# Altium PCB LeVentilateur.PcbDoc (part 1 of 2) (continued)
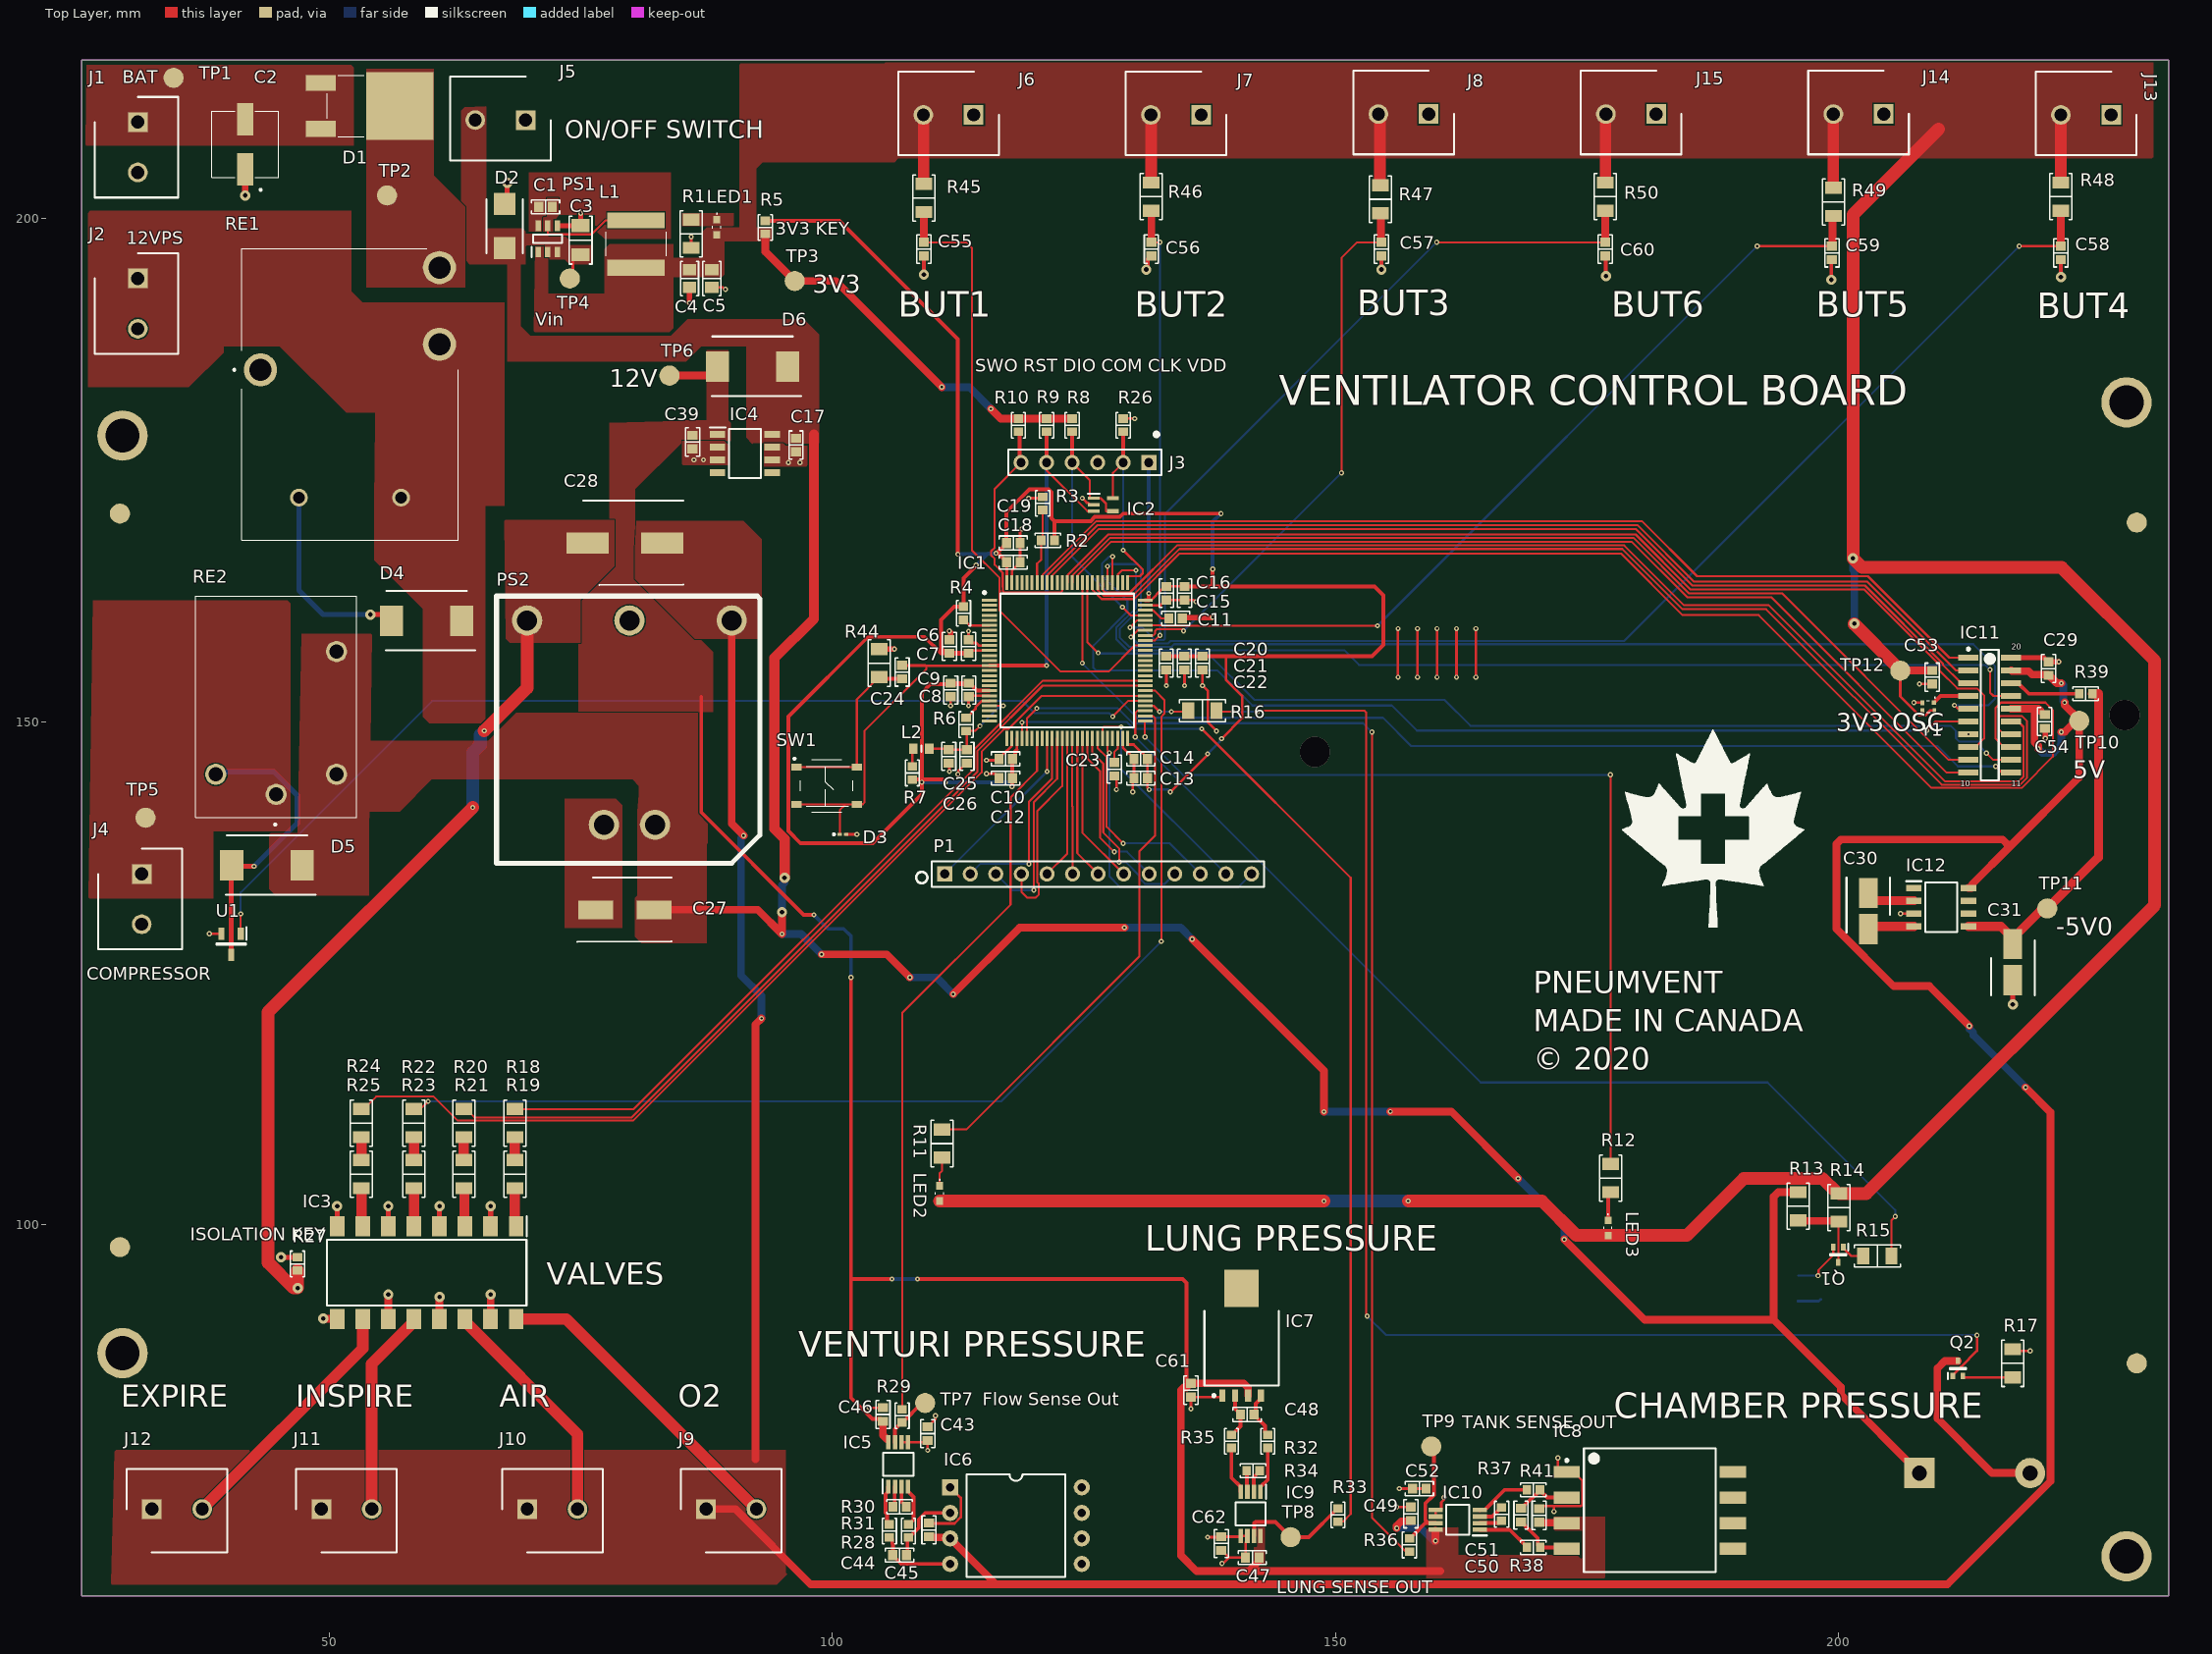
[diagram p0: Top Layer view]
## Part data (continued)
C22: library part C1608X7R1E104K080AA, "CAP CER 4.7UF 10V X5R 0603", Case/Package=0603, Case Code (Metric)=1608, Dielectric=X5R, Dielectric Material=Ceramic, Manufacturer 1="Taiyo Yuden", Manufacturer Part Number 1=LMK107BJ475KA-T, Max Operating Temperature=85°C, Min Operating Temperature=-55°C, Package Quantity=1, Supplier Part Number 1=587-1441-1-ND, Tolerance=10%, Voltage Rating=10V, Capacitance=4.7uF, Case Code (Imperial)=0603, ComponentLink1Description=Datasheet, ComponentLink1URL=https://product.tdk.com/info/en/catalog/datasheets/mlcc_commercial_general_en.pdf, ComponentLink2Description="Digi-Key listing", ComponentLink2URL=http://digikey.com/product-detail/en/C1608X7R1E104K080AA/445-1316-1-ND/567697, ComponentLink3Description=https://www.verical.com/server-webapp/html/getDatasheet?partID=626892&src-supplier=Verical, ComponentLink3URL=https://www.verical.com/server-webapp/html/getDatasheet?partID=626892&src-supplier=Verical, ComponentLink4Description=http://www.farnell.com/datasheets/2746056.pdf?src-supplier=Farnell, ComponentLink4URL=http://www.farnell.com/datasheets/2746056.pdf?src-supplier=Farnell, ComponentLink5Description=http://components.arrow.com/part/dataview/0323_00313986?src-supplier=Arrow+Europe, ComponentLink5URL=http://components.arrow.com/part/dataview/0323_00313986?src-supplier=Arrow+Europe, ComponentLink6Description=http://www.mouser.com/ds/2/212/KEM_C1002_X7R_SMD-1102033.pdf?src-supplier=Mouser, ComponentLink6URL=http://www.mouser.com/ds/2/212/KEM_C1002_X7R_SMD-1102033.pdf?src-supplier=Mouser, ComponentLink7Description=http://www.alliedelec.com/m/d/6f3b5eb83d09db50ed28bdc730567b33.pdf?src-supplier=Allied+Electronics, ComponentLink7URL=http://www.alliedelec.com/m/d/6f3b5eb83d09db50ed28bdc730567b33.pdf?src-supplier=Allied+Electronics, ComponentLink8Description=http://components.arrow.com/part/dataview/40911037S8853915N7429?src-supplier=Arrow, ComponentLink8URL=http://components.arrow.com/part/dataview/40911037S8853915N7429?src-supplier=Arrow, ComponentLink9Description=http://www.farnell.com/datasheets/2746056.pdf?src-supplier=Newark, ComponentLink9URL=http://www.farnell.com/datasheets/2746056.pdf?src-supplier=Newark, ComponentLink10Description=http://www.farnell.com/datasheets/1828800.pdf?src-supplier=Newark, ComponentLink10URL=http://www.farnell.com/datasheets/1828800.pdf?src-supplier=Newark, ComponentLink11Description=http://capacitoredge.kemet.com/capedge2/DataSheet?pn=C0603C104M5RAC7867&src-supplier=Avnet+Asia, ComponentLink11URL=http://capacitoredge.kemet.com/capedge2/DataSheet?pn=C0603C104M5RAC7867&src-supplier=Avnet+Asia, ComponentLink12Description=https://api.kemet.com/component-edge/download/datasheet/C0603C104M5RACTU.pdf?src-supplier=Digi-Key, ComponentLink12URL=https://api.kemet.com/component-edge/download/datasheet/C0603C104M5RACTU.pdf?src-supplier=Digi-Key, ComponentLink13Description=https://www.verical.com/server-webapp/html/getDatasheet?partID=110138&src-supplier=Verical, ComponentLink13URL=https://www.verical.com/server-webapp/html/getDatasheet?partID=110138&src-supplier=Verical, ComponentLink14Description=http://capacitoredge.kemet.com/capedge2/DataSheet?pn=C0603C104M5RAC7867&src-supplier=Avnet, ComponentLink14URL=http://capacitoredge.kemet.com/capedge2/DataSheet?pn=C0603C104M5RAC7867&src-supplier=Avnet, ComponentLink15Description=http://www.farnell.com/datasheets/2315113.pdf?src-supplier=Newark, ComponentLink15URL=http://www.farnell.com/datasheets/2315113.pdf?src-supplier=Newark, ComponentLink16Description=http://www.farnell.com/datasheets/2746056.pdf?src-supplier=Element14, ComponentLink16URL=http://www.farnell.com/datasheets/2746056.pdf?src-supplier=Element14, ComponentLink17Description=https://datasheet.ciiva.com/30054/131lmk107bj475ka-t-30054339.pdf?src-supplier=Onlinecomponents.com, ComponentLink17URL=https://datasheet.ciiva.com/30054/131lmk107bj475ka-t-30054339.pdf?src-supplier=Onlinecomponents.com, ComponentLink18Description=https://datasheet.ciiva.com/11463/lmk107bj475ka-t-ss-11463768.pdf?src-supplier=Avnet, ComponentLink18URL=https://datasheet.ciiva.com/11463/lmk107bj475ka-t-ss-11463768.pdf?src-supplier=Avnet, ComponentLink19Description=https://datasheet.ciiva.com/135/lmk107bj475ka-t-ss-135643.pdf?src-supplier=Digi-Key, ComponentLink19URL=https://datasheet.ciiva.com/135/lmk107bj475ka-t-ss-135643.pdf?src-supplier=Digi-Key, ComponentLink20Description=https://datasheet.ciiva.com/26872/getdatasheetpartid-638615-26872655.pdf?src-supplier=Verical, ComponentLink20URL=https://datasheet.ciiva.com/26872/getdatasheetpartid-638615-26872655.pdf?src-supplier=Verical, ComponentLink21Description=https://datasheet.ciiva.com/15921/344lmk107bj475ka-t-15921264.pdf?src-supplier=Onlinecomponents.com, ComponentLink21URL=https://datasheet.ciiva.com/15921/344lmk107bj475ka-t-15921264.pdf?src-supplier=Onlinecomponents.com, ComponentLink22Description=https://datasheet.ciiva.com/5424/mlcc01-e-5424565.pdf?src-supplier=Mouser, ComponentLink22URL=https://datasheet.ciiva.com/5424/mlcc01-e-5424565.pdf?src-supplier=Mouser, ComponentLink23Description=https://datasheet.ciiva.com/7975/746258-7975564.pdf?src-supplier=Element14, ComponentLink23URL=https://datasheet.ciiva.com/7975/746258-7975564.pdf?src-supplier=Element14, Contact Plating=Nickel, Depth=0.8mm, Description 1="Cap Ceramic 4.7uF 10V X5R 10% SMD 0603 85C T/R", Halogen Free="Halogen Free", Height=0.8mm, Lead Free="Lead Free", Length=1.6mm, Mount="Surface Mount", Number of Pins=2, Packaging="Tape and Reel", Pricing 1="1 = 0.19000, 10 = 0.12700, 100 = 0.06440, 500 = 0.04408, 1000 = 0.03899 (USD)", Radiation Hardening=No, REACH SVHC=Unknown, RoHS 1=Yes, Stock 1=2625329, Supplier 1=Digi-Key, Termination=SMD/SMT, Thickness=0.035inch, Voltage Rating (DC)=10V, Width=0.031inch
C26: library part C1608X7R1E104K080AA, "CAP CER 1UF 16V X7R 0603", Capacitance=100nF, Case/Package=0603, Case Code (Metric)=1608, Dielectric=X7R, Dielectric Material=Ceramic, Manufacturer 1=KEMET, Manufacturer 2=Samsung, Manufacturer Part Number 1=C0603C104M5RACTU, Manufacturer Part Number 2=CL10B105MO8NNWC, Max Operating Temperature=125°C, Min Operating Temperature=-55°C, Package Quantity=1, Supplier Part Number 1=399-7845-1-ND, Tolerance=20%, Voltage Rating=16, Voltage Rating (DC)=16V, Case Code (Imperial)=0603, ComponentLink1Description=Datasheet, ComponentLink1URL=https://product.tdk.com/info/en/catalog/datasheets/mlcc_commercial_general_en.pdf, ComponentLink2Description="Digi-Key listing", ComponentLink2URL=http://digikey.com/product-detail/en/C1608X7R1E104K080AA/445-1316-1-ND/567697, ComponentLink3Description=https://www.verical.com/server-webapp/html/getDatasheet?partID=626892&src-supplier=Verical, ComponentLink3URL=https://www.verical.com/server-webapp/html/getDatasheet?partID=626892&src-supplier=Verical, ComponentLink4Description=http://www.farnell.com/datasheets/2746056.pdf?src-supplier=Farnell, ComponentLink4URL=http://www.farnell.com/datasheets/2746056.pdf?src-supplier=Farnell, ComponentLink5Description=http://components.arrow.com/part/dataview/0323_00313986?src-supplier=Arrow+Europe, ComponentLink5URL=http://components.arrow.com/part/dataview/0323_00313986?src-supplier=Arrow+Europe, ComponentLink6Description=http://www.mouser.com/ds/2/212/KEM_C1002_X7R_SMD-1102033.pdf?src-supplier=Mouser, ComponentLink6URL=http://www.mouser.com/ds/2/212/KEM_C1002_X7R_SMD-1102033.pdf?src-supplier=Mouser, ComponentLink7Description=http://www.alliedelec.com/m/d/6f3b5eb83d09db50ed28bdc730567b33.pdf?src-supplier=Allied+Electronics, ComponentLink7URL=http://www.alliedelec.com/m/d/6f3b5eb83d09db50ed28bdc730567b33.pdf?src-supplier=Allied+Electronics, ComponentLink8Description=http://components.arrow.com/part/dataview/40911037S8853915N7429?src-supplier=Arrow, ComponentLink8URL=http://components.arrow.com/part/dataview/40911037S8853915N7429?src-supplier=Arrow, ComponentLink9Description=http://www.farnell.com/datasheets/2746056.pdf?src-supplier=Newark, ComponentLink9URL=http://www.farnell.com/datasheets/2746056.pdf?src-supplier=Newark, ComponentLink10Description=http://www.farnell.com/datasheets/1828800.pdf?src-supplier=Newark, ComponentLink10URL=http://www.farnell.com/datasheets/1828800.pdf?src-supplier=Newark, ComponentLink11Description=http://capacitoredge.kemet.com/capedge2/DataSheet?pn=C0603C104M5RAC7867&src-supplier=Avnet+Asia, ComponentLink11URL=http://capacitoredge.kemet.com/capedge2/DataSheet?pn=C0603C104M5RAC7867&src-supplier=Avnet+Asia, ComponentLink12Description=https://api.kemet.com/component-edge/download/datasheet/C0603C104M5RACTU.pdf?src-supplier=Digi-Key, ComponentLink12URL=https://api.kemet.com/component-edge/download/datasheet/C0603C104M5RACTU.pdf?src-supplier=Digi-Key, ComponentLink13Description=https://www.verical.com/server-webapp/html/getDatasheet?partID=110138&src-supplier=Verical, ComponentLink13URL=https://www.verical.com/server-webapp/html/getDatasheet?partID=110138&src-supplier=Verical, ComponentLink14Description=http://capacitoredge.kemet.com/capedge2/DataSheet?pn=C0603C104M5RAC7867&src-supplier=Avnet, ComponentLink14URL=http://capacitoredge.kemet.com/capedge2/DataSheet?pn=C0603C104M5RAC7867&src-supplier=Avnet, ComponentLink15Description=http://www.farnell.com/datasheets/2315113.pdf?src-supplier=Newark, ComponentLink15URL=http://www.farnell.com/datasheets/2315113.pdf?src-supplier=Newark, ComponentLink16Description=http://www.farnell.com/datasheets/2746056.pdf?src-supplier=Element14, ComponentLink16URL=http://www.farnell.com/datasheets/2746056.pdf?src-supplier=Element14, ComponentLink17Description=https://media.digikey.com/pdf/Data%20Sheets/Samsung%20PDFs/CL10B105MO8NNWC.pdf?src-supplier=Digi-Key, ComponentLink17URL=https://media.digikey.com/pdf/Data%20Sheets/Samsung%20PDFs/CL10B105MO8NNWC.pdf?src-supplier=Digi-Key, ComponentLink18Description=http://www.farnell.com/datasheets/2710574.pdf?src-supplier=Farnell, ComponentLink18URL=http://www.farnell.com/datasheets/2710574.pdf?src-supplier=Farnell, ComponentLink19Description=http://www.farnell.com/datasheets/2710574.pdf?src-supplier=Element14, ComponentLink19URL=http://www.farnell.com/datasheets/2710574.pdf?src-supplier=Element14, ComponentLink20Description=http://www.farnell.com/datasheets/2710574.pdf?src-supplier=Newark, ComponentLink20URL=http://www.farnell.com/datasheets/2710574.pdf?src-supplier=Newark, Contact Plating=Tin,Matte, Depth=0.8mm, Description 1="Cap Ceramic 0.1uF 50V X7R 20% SMD 0603 125C T/R", Description 2="SAMSUNG ELECTRO-MECHANICS - CL10B105MO8NNWC - SMD Multilayer Ceramic Capacitor, 1 µF, 16 V, 0603 [1608 Metric], ± 20%, X7R, CL Series", Dissipation Factor=2.5%, Height=0.8mm, Lead Pitch=0.7mm, Length=1.6mm, Mount="Surface Mount,PCB", Packaging="Tape and Reel", Pricing 1="1 = 0.10000, 10 = 0.03900, 100 = 0.01740, 500 = 0.01240, 1000 = 0.00974 (USD)", Pricing 2="1 = 0.10000, 10 = 0.04600, 100 = 0.02050, 500 = 0.01464, 1000 = 0.01150 (USD)", Radiation Hardening=No, REACH SVHC="No SVHC", RoHS 1=Yes, RoHS 2=Yes, Stock 1=3475152, Stock 2=9459126, Supplier 1=Digi-Key, Supplier 2=Digi-Key, Supplier Part Number 2=1276-6524-1-ND, Termination=SMD/SMT, Thickness=0.034inch, Width=0.031inch
C27: library part CK0J221M-CRE54, "47uF ±20% 35V SMD,6.3x5.4mm Aluminum Electrolytic Capacitors", Manufacturer 1=LCS-ROQANG, Manufacturer_Name=ROQANG, Manufacturer Part Number 1=VT1V470M0605, Datasheet Link=https://datasheet.lcsc.com/szlcsc/1809091706_ST-Semtech-CK0J221M-CRE54_C131163.pdf, Height=5.8mm
C28: library part 25TRV220M8X10.5, "Capacitor Polarised 470uF Alum", Manufacturer 1=LCS-ST(Semtech), Manufacturer_Name=ST(Semtech), Manufacturer Part Number 1=CK1C471M-CRF10
C30 C31: library part CS1A470M-CRC54, "Capacitor Polarised", Manufacturer 1=LCS-ST(Semtech), Manufacturer_Name=SEMTECH, Manufacturer Part Number 1=CS1V100M-CRC54, Datasheet Link=https://datasheet.lcsc.com/szlcsc/1811061120_ST-Semtech-CS1V100M-CRC54_C117835.pdf, Height=5.8mm
D1: "Diode", Manufacturer_Name=STMicroelectronics, Mouser Part Number=511-FERD20H100SB-TR, RS Part Number=1241117P, Datasheet Link=https://www.mouser.com/datasheet/2/389/dm00272110-1798832.pdf, Height=2.4mm, Manufacturer_Part_Number=FERD20H100SB-TR, Mouser Price/Stock=https://www.mouser.com/Search/Refine.aspx?Keyword=511-FERD20H100SB-TR, RS Price/Stock=http://uk.rs-online.com/web/p/products/1241117P
D2: "TVS Diode (Bi-directional)", Breakdown Voltage=23.1V, Capacitance=1.35nF, Case/Package=SMB, Clamping Voltage=39.3V, Leakage Current=200nA, Manufacturer 1=STMicroelectronics, Manufacturer Part Number 1=SM6T22CA, Max Operating Temperature=150°C, Max Power Dissipation=5W, Max Surge Current=20A, Min Breakdown Voltage=20.9V, Min Operating Temperature=-55°C, Mouser Part Number=511-SM6T22CAY, Operating Supply Voltage=18.8V, Package Quantity=2500, Peak Pulse Current=102A, Peak Pulse Power=600W, Power Line Protection=No, RS Part Number=7957219P, Supplier Part Number 1=497-3507-1-ND, Test Current=1mA, Voltage Rating (DC)=22V, ComponentLink1Description=https://datasheet.ciiva.com/15143/getdatasheetpartid-92247-15143399.pdf?src-supplier=Verical, ComponentLink1URL=https://datasheet.ciiva.com/15143/getdatasheetpartid-92247-15143399.pdf?src-supplier=Verical, ComponentLink2Description=https://datasheet.ciiva.com/26787/sm6t22ca-26787583.pdf?src-supplier=IIIC, ComponentLink2URL=https://datasheet.ciiva.com/26787/sm6t22ca-26787583.pdf?src-supplier=IIIC, ComponentLink3Description=https://datasheet.ciiva.com/338/cd00000725-338070.pdf?src-supplier=Digi-Key, ComponentLink3URL=https://datasheet.ciiva.com/338/cd00000725-338070.pdf?src-supplier=Digi-Key, ComponentLink4Description=https://datasheet.ciiva.com/7965/1761324-7965494.pdf?src-supplier=Element14, ComponentLink4URL=https://datasheet.ciiva.com/7965/1761324-7965494.pdf?src-supplier=Element14, ComponentLink5Description=https://datasheet.ciiva.com/338/cd00000725-338071.pdf?src-supplier=Digi-Key, ComponentLink5URL=https://datasheet.ciiva.com/338/cd00000725-338071.pdf?src-supplier=Digi-Key, ComponentLink6Description=https://datasheet.ciiva.com/338/cd00000725-338072.pdf?src-supplier=Digi-Key, ComponentLink6URL=https://datasheet.ciiva.com/338/cd00000725-338072.pdf?src-supplier=Digi-Key, ComponentLink7Description=https://datasheet.ciiva.com/3022/cd00000725-3022077.pdf?src-supplier=Avnet, ComponentLink7URL=https://datasheet.ciiva.com/3022/cd00000725-3022077.pdf?src-supplier=Avnet, ComponentLink8Description=https://datasheet.ciiva.com/16209/cd00000725-16209773.pdf?src-supplier=Future+Electronics, ComponentLink8URL=https://datasheet.ciiva.com/16209/cd00000725-16209773.pdf?src-supplier=Future+Electronics, ComponentLink9Description=https://datasheet.ciiva.com/7973/1761324-7973422.pdf?src-supplier=Element14, ComponentLink9URL=https://datasheet.ciiva.com/7973/1761324-7973422.pdf?src-supplier=Element14, ComponentLink10Description=https://datasheet.ciiva.com/7973/1761324-7973423.pdf?src-supplier=Element14, ComponentLink10URL=https://datasheet.ciiva.com/7973/1761324-7973423.pdf?src-supplier=Element14, ComponentLink11Description=https://datasheet.ciiva.com/14161/xbsm6t-data-e-14161807.pdf?src-supplier=Distrelec, ComponentLink11URL=https://datasheet.ciiva.com/14161/xbsm6t-data-e-14161807.pdf?src-supplier=Distrelec, Composition=Zener, Contact Plating=Tin,Matte, Datasheet Link=https://www.st.com/resource/en/datasheet/sm6ty.pdf, Description 1="TVS DIODE 18.8V 30.6V SMB", Direction=Bidirectional, Element Configuration=Single, ESD Protection=No, Height=2.65mm, Lead Free="Lead Free", Length=4.6mm, Manufacturer_Name=STMicroelectronics, Manufacturer_Part_Number=SM6T22CAY, Max Breakdown Voltage=23.1V, Max Reverse Leakage Current=200nA, Mount="Surface Mount", Mouser Price/Stock=https://www.mouser.com/Search/Refine.aspx?Keyword=511-SM6T22CAY, Number of Bidirectional Channels=1, Number of Channels=1, Number of Elements=1, Number of Pins=2, Packaging="Tape and Reel", Polarity=Bidirectional, Power Dissipation=600W, Pricing 1="1 = 0.46000, 10 = 0.39600, 25 = 0.36960, 100 = 0.27460, 250 = 0.26084, 500 = 0.21436, 1000 = 0.17424 (USD)", Radiation Hardening=No, REACH SVHC="No SVHC", Reverse Breakdown Voltage=20.9V, Reverse Standoff Voltage=18.8V, RoHS 1=Yes, RS Price/Stock=http://uk.rs-online.com/web/p/products/7957219P, Stock 1=8808, Supplier 1=Digi-Key, Termination=SMD/SMT, Width=3.95mm
D3: "TVS Diode (Uni-directional)", Manufacturer 1=STMicroelectronics, Mouser Part Number=511-ESDALC6V1-1U2, RS Part Number=7958404P, Allied_Number=70389949, Allied Price/Stock=http://www.alliedelec.com/stmicroelectronics-esdalc6v1-1u2/70389949/, Datasheet Link=http://www.st.com/web/en/resource/technical/document/datasheet/CD00212838.pdf, Height=0mm, Manufacturer_Name=STMicroelectronics, Manufacturer_Part_Number=ESDALC6V1-1U2, Manufacturer Part Number 1=ESDALC6V1-1U2, Mouser Price/Stock=https://www.mouser.com/Search/Refine.aspx?Keyword=511-ESDALC6V1-1U2, RS Price/Stock=http://uk.rs-online.com/web/p/products/7958404P
D4 D5 D6: "DIODE SCHOTTKY 200V 5A SMC", Average Rectified Current=5A, Case/Package=SMC, Max Reverse Voltage (DC)=200V, Supplier Part Number 1=1655-1603-1-ND, ComponentLink1Description=http://www.smc-diodes.com/propdf/SK520%20N0107%20REV.A.pdf?src-supplier=Digi-Key, ComponentLink1URL=http://www.smc-diodes.com/propdf/SK520%20N0107%20REV.A.pdf?src-supplier=Digi-Key, Description 1="DIODE SCHOTTKY 200V 5A SMC", Manufacturer 1=SMC, Manufacturer Part Number 1=SK520TR, Mount="Surface Mount", Packaging="Tape and Reel", Pricing 1="1 = 0.35000, 10 = 0.28500, 25 = 0.26040, 100 = 0.16360, 250 = 0.16176, 500 = 0.15148, 1000 = 0.10300 (USD)", RoHS 1=No, Stock 1=19874, Supplier 1=Digi-Key
IC1: "ARM® Cortex®-M4 STM32F4 Microcontroller IC 32-Bit 84MHz 256KB (256K x 8) FLASH 100-LQFP (14x14)", Manufacturer 1=STMicroelectronics, Mouser Part Number=511-STM32F401VCT6, RS Part Number=7926019P, Allied_Number=70391098, Allied Price/Stock=http://www.alliedelec.com/stmicroelectronics-stm32f401vct6/70391098/, Datasheet Link=http://www.st.com/web/en/resource/technical/document/datasheet/DM00086815.pdf, Height=1.6mm, Manufacturer_Name=STMicroelectronics, Manufacturer_Part_Number=STM32F401VCT6, Manufacturer Part Number 1=STM32F401VCT6, Mouser Price/Stock=https://www.mouser.com/Search/Refine.aspx?Keyword=511-STM32F401VCT6, RS Price/Stock=http://uk.rs-online.com/web/p/products/7926019P
IC2: "Clamp  Ipp Tvs Diode Surface Mount SOT-323-5", Manufacturer 1=STMicroelectronics, Mouser Part Number=511-ESDALC6V1W5, RS Part Number=1787373, Allied_Number=70389952, Allied Price/Stock=http://www.alliedelec.com/stmicroelectronics-esdalc6v1w5/70389952/, Datasheet Link=http://www.st.com/web/en/resource/technical/document/datasheet/CD00002946.pdf, Height=1.1mm, Manufacturer_Name=STMicroelectronics, Manufacturer_Part_Number=ESDALC6V1W5, Manufacturer Part Number 1=ESDALC6V1W5, Mouser Price/Stock=https://www.mouser.com/Search/Refine.aspx?Keyword=511-ESDALC6V1W5, RS Price/Stock=https://uk.rs-online.com/web/p/products/1787373
IC3: "OPTOISOLTR 5KV 4CH TRANS 16-SMD", Case/Package=SMD/SMT, Collector Emitter Saturation Voltage=200mV, Collector Emitter Voltage (VCEO)=35V, Current Transfer Ratio=600%, Forward Current=50mA, Forward Voltage=1.4V, Isolation Voltage=5kV, Manufacturer 1="Vishay Lite-On", Max Operating Temperature=110°C, Max Power Dissipation=200mW, Min Operating Temperature=-30°C, Package Quantity=25, Reverse Breakdown Voltage=6V, Supplier Part Number 1=160-1371-5-ND, ComponentLink1Description=https://datasheet.ciiva.com/11771/0900766b80de6da2-11771782.pdf?src-supplier=RSComponents, ComponentLink1URL=https://datasheet.ciiva.com/11771/0900766b80de6da2-11771782.pdf?src-supplier=RSComponents, ComponentLink2Description=https://datasheet.ciiva.com/15118/getdatasheetpartid-119507-15118694.pdf?src-supplier=Verical, ComponentLink2URL=https://datasheet.ciiva.com/15118/getdatasheetpartid-119507-15118694.pdf?src-supplier=Verical, ComponentLink3Description=https://datasheet.ciiva.com/2086/s-110-ltv-817827847m-s-s-ta-s-ta1-s-tpseries-2086410.pdf?src-supplier=Digi-Key, ComponentLink3URL=https://datasheet.ciiva.com/2086/s-110-ltv-817827847m-s-s-ta-s-ta1-s-tpseries-2086410.pdf?src-supplier=Digi-Key, ComponentLink4Description=https://datasheet.ciiva.com/16294/ltv-817-827-847-16294014.pdf?src-supplier=Future+Electronics, ComponentLink4URL=https://datasheet.ciiva.com/16294/ltv-817-827-847-16294014.pdf?src-supplier=Future+Electronics, Description 1="OPTOISOLTR 5KV 4CH TRANS 16-SMD", Fall Time=18000ns, Lead Free="Lead Free", Manufacturer Part Number 1=LTV-847S, Max Collector Current=50mA, Max Input Current=50mA, Max Output Voltage=35V, Mount="Surface Mount", Number of Channels=4, Number of Circuits=4, Number of Elements=4, Number of Pins=16, Output Current per Channel=50mA, Output Voltage=35V, Packaging=Rail/Tube, Power Dissipation=200mW, Pricing 1="1 = 1.02000, 10 = 0.82500, 100 = 0.50760, 500 = 0.43146, 1000 = 0.35532, 2500 = 0.33756, 5000 = 0.32994, 10000 = 0.32233, 25000 = 0.31725 (USD)", Radiation Hardening=No, Rise Time=18000ns, RoHS 1=Yes, Stock 1=44348, Supplier 1=Digi-Key
IC4: "Linear Voltage Regulator IC  1 Output  100mA 8-SOIC", Manufacturer 1="Texas Instruments", Mouser Part Number=595-UA78L12ACD, RS Part Number=6616727P, Datasheet Link=http://www.ti.com/lit/ds/symlink/ua78l12a.pdf, Height=1.75mm, Manufacturer_Part_Number=UA78L12ACD, Manufacturer Part Number 1=UA78L12ACD, Mouser Price/Stock=https://www.mouser.com/Search/Refine.aspx?Keyword=595-UA78L12ACD, RS Price/Stock=http://uk.rs-online.com/web/p/products/6616727P
IC5 IC9 IC10: "IC INST AMP 1 CIRCUIT 8VSSOP", Case/Package=VSSOP, Input Bias Current=65nA, Input Offset Voltage (Vos)=150uV, Input Resistance=100kR, Input Voltage Noise Density="18nV/sqrt Hz", Manufacturer 1="Texas Instruments", Manufacturer Part Number 1=INA826AIDGKR, Max Dual Supply Voltage=18V, Max Operating Temperature=125°C, Max Supply Voltage=36V, Min Dual Supply Voltage=1.35V, Min Operating Temperature=-40°C, Min Supply Voltage=2.7V, Operating Supply Current=200uA, Output Current per Channel=16mA, Package Quantity=2500, Power Supply Rejection Ratio (PSRR)=100dB, Supplier Part Number 1=296-29663-1-ND, Voltage Gain=60dB, -3db Bandwidth=1MHz, Bandwidth=1MHz, Common Mode Rejection Ratio=84dB, ComponentLink1Description=https://datasheet.ciiva.com/1487/1806064-1487618.pdf?src-supplier=Element14, ComponentLink1URL=https://datasheet.ciiva.com/1487/1806064-1487618.pdf?src-supplier=Element14, ComponentLink2Description=https://datasheet.ciiva.com/1798/ina826-1798294.pdf?src-supplier=Digi-Key, ComponentLink2URL=https://datasheet.ciiva.com/1798/ina826-1798294.pdf?src-supplier=Digi-Key, ComponentLink3Description=https://datasheet.ciiva.com/1798/ina826-1798295.pdf?src-supplier=Digi-Key, ComponentLink3URL=https://datasheet.ciiva.com/1798/ina826-1798295.pdf?src-supplier=Digi-Key, ComponentLink4Description=https://datasheet.ciiva.com/1798/ina826-1798296.pdf?src-supplier=Digi-Key, ComponentLink4URL=https://datasheet.ciiva.com/1798/ina826-1798296.pdf?src-supplier=Digi-Key, ComponentLink5Description=https://datasheet.ciiva.com/14338/ina826-14338024.pdf?src-supplier=Avnet, ComponentLink5URL=https://datasheet.ciiva.com/14338/ina826-14338024.pdf?src-supplier=Avnet, Contact Plating=Gold, Description 1="TEXAS INSTRUMENTS - INA826AIDGKR - ?????, 1????, 40 µV, 1 V/µs, 1 MHz, 2.7V ? 36V, ± 1.35V ? ± 18V, VSSOP", Lead Free="Lead Free", Number of Amplifiers=1, Number of Channels=1, Number of Circuits=1, Number of Elements=1, Number of Pins=8, Packaging="Tape and Reel", Pricing 1="1 = 2.73000, 10 = 2.44900, 25 = 2.31000, 100 = 1.84800, 250 = 1.61700, 500 = 1.57080, 1000 = 1.24740 (USD)", Quiescent Current=200uA, Radiation Hardening=No, REACH SVHC="No SVHC", RoHS 1=Yes, Slew Rate=1V/µs, Stock 1=17777, Supplier 1=Digi-Key, Weight=0.000935oz
IC6: "SENSOR PRESS DIFF 1PSI", Case/Package=DIP, Manufacturer 1="Honeywell Sensing & Control", Manufacturer Part Number 1=NSCDRRN001PDUNV, Max Operating Temperature=85°C, Max Supply Current=2mA, Max Supply Voltage=12V, Min Operating Temperature=-40°C, Min Supply Voltage=1.8V, Nominal Supply Current=1.5mA, Operating Pressure=1PSI, Operating Supply Voltage=5V, Package Quantity=20, Supplier Part Number 1=480-3640-ND, Accuracy=0.25%, ComponentLink1Description=https://datasheet.ciiva.com/15705/hwscs06435-1-15705079.pdf?src-supplier=Onlinecomponents.com, ComponentLink1URL=https://datasheet.ciiva.com/15705/hwscs06435-1-15705079.pdf?src-supplier=Onlinecomponents.com, ComponentLink2Description=https://datasheet.ciiva.com/16832/70338091-16832686.pdf?src-supplier=Allied+Electronics, ComponentLink2URL=https://datasheet.ciiva.com/16832/70338091-16832686.pdf?src-supplier=Allied+Electronics, ComponentLink3Description=https://datasheet.ciiva.com/1318/1499905-1318108.pdf?src-supplier=Element14, ComponentLink3URL=https://datasheet.ciiva.com/1318/1499905-1318108.pdf?src-supplier=Element14, Description 1="SENSOR, 1PSI, DIP, DUAL RADIAL, DIFF", Height=6.16mm, Interface=I2C, Length=10mm, Max Supply Voltage (DC)=12V, Min Supply Voltage (DC)=1.8V, Mount="Through Hole", Number of Pins=8, Output Type=Analog, Port Style=Barbed, Pressure Type=Differential, Pricing 1="1 = 18.47000, 10 = 16.67100, 25 = 15.97200, 50 = 14.97380, 100 = 14.52000 (USD)", REACH SVHC="No SVHC", RoHS 1=Yes, Stock 1=436, Supplier 1=Digi-Key, Termination="PC Pin", Voltage Rating=5V, Voltage Rating (DC)=5V, Width=6.99mm
IC7: library part "Pressure Sensor", "SENS PRESSURE 7.25 PSI MAX MPAK", Case/Package=SMD/SMT, Manufacturer 1="NXP Freescale", Manufacturer Part Number 1=MPXM2053GST1, Max Operating Temperature=125°C, Max Supply Voltage=16V, Min Operating Temperature=-40°C, Nominal Supply Current=6mA, Operating Pressure=7.25PSI, Operating Supply Voltage=10V, Output Voltage=40mV, Package Quantity=400, Supplier Part Number 1=568-13748-1-ND, Accuracy=0.4%, ComponentLink1Description=https://datasheet.ciiva.com/3272/mpx2053-3272653.pdf?src-supplier=Avnet, ComponentLink1URL=https://datasheet.ciiva.com/3272/mpx2053-3272653.pdf?src-supplier=Avnet, ComponentLink2Description=https://datasheet.ciiva.com/2843/mpx2053-2843368.pdf?src-supplier=Digi-Key, ComponentLink2URL=https://datasheet.ciiva.com/2843/mpx2053-2843368.pdf?src-supplier=Digi-Key, ComponentLink3Description=https://datasheet.ciiva.com/16463/mpx2053-16463915.pdf?src-supplier=Future+Electronics, ComponentLink3URL=https://datasheet.ciiva.com/16463/mpx2053-16463915.pdf?src-supplier=Future+Electronics, Description 1="Pressure Sensor 0V to 0.04V 0kPa to 50kPa Absolute Automotive 5-Pin(4+Tab) M-PAC T/R", Halogen Free="Halogen Free", Lead Free="Lead Free", Max Pressure=29.01PSI, Mount="Surface Mount", Output Type="Wheatstone Bridge", Packaging="Tape and Reel", Port Style=Barbless, Pressure Type="Vented Gauge", Pricing 1="1 = 11.78000, 5 = 10.33200, 10 = 9.29900, 25 = 8.26600, 50 = 7.64600, 100 = 6.61270 (USD)", RoHS 1=Yes, Stock 1=1331, Supplier 1=Digi-Key, Termination=PCB, Weight=0.018618oz
IC8: library part "100KPA Pressure Sensor", "SENSOR GAUGE PRESS 14.5PSI MAX", Case/Package=SOP, Manufacturer 1="NXP Freescale", Manufacturer Part Number 1=MPXV2102GP, Max Operating Temperature=125°C, Max Supply Voltage=16V, Min Operating Temperature=-40°C, Nominal Supply Current=6mA, Operating Pressure=14.5PSI, Operating Supply Voltage=10V, Output Voltage=40mV, Package Quantity=125, Supplier Part Number 1=MPXV2102GP-ND, Accuracy=0.5%, ComponentLink1Description=https://datasheet.ciiva.com/3272/mpx2102-3272661.pdf?src-supplier=Avnet, ComponentLink1URL=https://datasheet.ciiva.com/3272/mpx2102-3272661.pdf?src-supplier=Avnet, ComponentLink2Description=https://datasheet.ciiva.com/26022/mpx2102-26022587.pdf?src-supplier=Avnet+Europe, ComponentLink2URL=https://datasheet.ciiva.com/26022/mpx2102-26022587.pdf?src-supplier=Avnet+Europe, ComponentLink3Description=https://datasheet.ciiva.com/2843/mpx2102-2843513.pdf?src-supplier=Digi-Key, ComponentLink3URL=https://datasheet.ciiva.com/2843/mpx2102-2843513.pdf?src-supplier=Digi-Key, Description 1="Pressure Sensor 14.5 PSI (100 kPa) Vented Gauge Male - 0.13\" (3.17mm) Tube 0 mV ~ 40 mV (10V) 8-SMD Module", Halogen Free="Halogen Free", Lead Free="Lead Free", Max Pressure=58.02PSI, Mount="Surface Mount", Number of Pins=8, Output Type="Wheatstone Bridge", Packaging=Tray, Port Style=Barbed, Pressure Type="Vented Gauge", Pricing 1="1 = 13.86000, 5 = 13.57400, 10 = 11.31200, 25 = 10.46360, 50 = 10.18080, 100 = 8.76680, 500 = 8.20120, 1000 = 7.77700, 5000 = 7.21140 (USD)", RoHS 1=Yes, Stock 1=406, Supplier 1=Digi-Key, Termination=PCB, Voltage Rating (DC)=10V, Weight=0.061909oz
IC11: library part Component_1, "LCD MOD GRAPH 122X32 WH TRANSM", Background Color=Blue, Case/Package=Module, Manufacturer 1="Newhaven Display", Manufacturer Part Number 1=NHD-12232KZ-NSW-BBW-P, Max Operating Temperature=70°C, Min Operating Temperature=-20°C, Package Quantity=50, Supplier Part Number 1=NHD-12232KZ-NSW-BBW-P-ND, Backlight Type=LED, ComponentLink1Description=https://datasheet.ciiva.com/19454/2154919-19454139.pdf?src-supplier=Jameco, ComponentLink1URL=https://datasheet.ciiva.com/19454/2154919-19454139.pdf?src-supplier=Jameco, ComponentLink2Description=https://datasheet.ciiva.com/5326/nhd-12232kz-nsw-bbw-p-44813-5326535.pdf?src-supplier=Mouser, ComponentLink2URL=https://datasheet.ciiva.com/5326/nhd-12232kz-nsw-bbw-p-44813-5326535.pdf?src-supplier=Mouser, ComponentLink3Description=https://datasheet.ciiva.com/2103/nhd-12232kz-nsw-bbw-p-2103129.pdf?src-supplier=Digi-Key, ComponentLink3URL=https://datasheet.ciiva.com/2103/nhd-12232kz-nsw-bbw-p-2103129.pdf?src-supplier=Digi-Key, ComponentLink4Description=https://datasheet.ciiva.com/49271/70518174-49271942.pdf?src-supplier=Allied+Electronics, ComponentLink4URL=https://datasheet.ciiva.com/49271/70518174-49271942.pdf?src-supplier=Allied+Electronics, Description 1="122 by 32 Character LCD Display Module 5 Volts White Letters", Interface="Parallel,8 bit", Packaging=Bulk, Pricing 1="1 = 13.85000, 5 = 13.01800, 10 = 12.18700, 50 = 11.60400 (USD)", Resolution (height)=32pixel, Resolution (width)=122pixel, RoHS 1=Yes, Stock 1=610, Supplier 1=Digi-Key
IC12: "IC REG CHARGE PUMP INV 8SOIC", Manufacturer 1="Texas Instruments", Manufacturer Part Number 1=LMC7660IM/NOPB, Mouser Part Number=926-LMC7660IM/NOPB, RS Part Number=5360212P, Datasheet Link=http://www.ti.com/lit/ds/symlink/lmc7660.pdf, Height=1.75mm, Manufacturer_Name="Texas Instruments", Mouser Price/Stock=https://www.mouser.com/Search/Refine.aspx?Keyword=926-LMC7660IM%2FNOPB, RS Price/Stock=http://uk.rs-online.com/web/p/products/5360212P
J1 J2 J4 J5 J6 J7 J8 J9 J10 J11 J12 J13 J14 J15: library part 1935161, "TERM BLK 2POS SIDE ENTRY 5MM PCB", Color=Green, Current=18A, Current Rating=17.5A, Flammability Rating="UL94 V-0", Manufacturer 1="Phoenix Contact", Max Current Rating=16A, Max Supply Voltage=250V, Package Quantity=250, Supplier Part Number 1=277-1667-ND, Voltage=300V, Voltage Rating (DC)=320V, Approvals=UL, ComponentLink1Description=https://datasheet.ciiva.com/15169/getdatasheetpartid-177903-15169663.pdf?src-supplier=Verical, ComponentLink1URL=https://datasheet.ciiva.com/15169/getdatasheetpartid-177903-15169663.pdf?src-supplier=Verical, ComponentLink2Description=https://datasheet.ciiva.com/16047/1935161-16047247.pdf?src-supplier=Onlinecomponents.com, ComponentLink2URL=https://datasheet.ciiva.com/16047/1935161-16047247.pdf?src-supplier=Onlinecomponents.com, ComponentLink3Description=https://datasheet.ciiva.com/824/combiconcompact5-0mmseries-824222.pdf?src-supplier=Digi-Key, ComponentLink3URL=https://datasheet.ciiva.com/824/combiconcompact5-0mmseries-824222.pdf?src-supplier=Digi-Key, Connector Type=Screw, Contact Material=Copper,Tin, Depth=9mm, Description 1="Conn Terminal Blocks 2 POS 5mm Solder ST Thru-Hole 16A", Height=11.3mm, Housing Color=Green, Housing Material=Polyamide, Insulation Material=Nylon, Lead Free="Lead Free", Length=9mm, Manufacturer Part Number 1=1935161, Material=Nylon, Mount="Through Hole", Number of Circuits=2, Number of Contacts=2, Number of Levels=1, Number of Pins=2, Number of Poles=2, Number of Positions=2, Number of Positions Per Level=2, Number of Rows=1, Orientation=Straight, Packaging=Bulk, Pitch=5mm, Pricing 1="1 = 0.43000, 10 = 0.41100, 50 = 0.39280, 100 = 0.38200, 250 = 0.35700, 500 = 0.32844, 1000 = 0.30350 (USD)", Radiation Hardening=No, REACH SVHC=Unknown, RoHS 1=Yes, Stock 1=32563, Supplier 1=Digi-Key, Termination=Solder, Voltage Rating=250V, Weight=0.067021oz, Width=14.9mm, Wire/Cable Gauge=26AWG, Wire Gauge (Max)=26AWG, Wire Gauge (Min)=12AWG
J3: "Header, 6-Pin", Color=Black, Manufacturer 1=Sullins, Manufacturer Part Number 1=PRPC006SACN-RC, Package Quantity=1, Supplier Part Number 1=S1131EC-06-ND, ComponentLink1Description=https://datasheet.ciiva.com/741/xrxczzzsxxn-rc-st-11635-b-741959.pdf?src-supplier=Digi-Key, ComponentLink1URL=https://datasheet.ciiva.com/741/xrxczzzsxxn-rc-st-11635-b-741959.pdf?src-supplier=Digi-Key, Connector Type="Male Pin", Contact Mating Length=0.23inch, Contact Plating=Gold, Description 1="CONN HEADER VERT 6POS 2.54MM", LatestRevisionDate=17-Jul-2002, LatestRevisionNote="Re-released for DXP Platform.", Mount="Through Hole", Number of Positions=6, Number of Rows=1, Packaging=Bulk, Pitch=0.1inch, Pricing 1="1 = 0.25000, 10 = 0.23600, 25 = 0.20120, 50 = 0.17580, 100 = 0.16330, 250 = 0.14448, 500 = 0.13820 (USD)", Publisher="Altium Limited", RoHS 1=Yes, Stock 1=695, Supplier 1=Digi-Key, Termination=Solder
L1: library part 1255AY-3R9N=P3, "3.9µH Shielded Wirewound Inductor 4.2A 26.4mOhm Max Nonstandard", Case/Package=Nonstandard, Current Rating=4.2A, DC Resistance (DCR)=26.4mR, Manufacturer 1=Murata, Manufacturer Part Number 1=1255AY-3R9N=P3, Max Operating Temperature=85°C, Min Operating Temperature=-40°C, Saturation Current=4.7A, Supplier Part Number 1=490-14062-1-ND, Test Frequency=100kHz, Tolerance=30%, ComponentLink1Description=http://www.toko.co.jp/products/pdf/inductors/dg6045c.pdf?src-supplier=Digi-Key, ComponentLink1URL=http://www.toko.co.jp/products/pdf/inductors/dg6045c.pdf?src-supplier=Digi-Key, Composition=Wirewound, Core Material=Ferrite, Description 1="FIXED IND", Height - Seated (Max)=0.177inch, Inductance=3.9uH, Length=0.248inch, Mount="Surface Mount", Packaging="Tape and Reel", Pricing 1="1 = 0.48000, 10 = 0.42300, 100 = 0.30190, 500 = 0.25358 (USD)", RoHS 1=Yes, Shielding=Shielded, Stock 1=385, Supplier 1=Digi-Key, Width=0.248inch
L2: library part Inductor, "FERRITE BEAD 300 OHM 0603 1LN", Case/Package=0603, Case Code (Metric)=1608, Current Rating=150mA, DC Resistance (DCR)=350mR, Inductance=300uH, Manufacturer 1="Vishay Dale", Manufacturer Part Number 1=ILBB0603ER301V, Max Operating Temperature=125°C, Min Operating Temperature=-55°C, Package Quantity=1, Supplier Part Number 1=541-2291-1-ND, Test Frequency=100MHz, Tolerance=25%, Case Code (Imperial)=0603, ComponentLink1Description=https://datasheet.ciiva.com/4939/ilbb0603-239824-4939552.pdf?src-supplier=Mouser, ComponentLink1URL=https://datasheet.ciiva.com/4939/ilbb0603-239824-4939552.pdf?src-supplier=Mouser, ComponentLink2Description=https://datasheet.ciiva.com/15160/getdatasheetpartid-45515-15160141.pdf?src-supplier=Verical, ComponentLink2URL=https://datasheet.ciiva.com/15160/getdatasheetpartid-45515-15160141.pdf?src-supplier=Verical, ComponentLink3Description=https://datasheet.ciiva.com/46636/ilbb0603-46636055.pdf?src-supplier=Digi-Key, ComponentLink3URL=https://datasheet.ciiva.com/46636/ilbb0603-46636055.pdf?src-supplier=Digi-Key, ComponentLink4Description=https://datasheet.ciiva.com/46417/ilbb0603-46417096.pdf?src-supplier=Element14, ComponentLink4URL=https://datasheet.ciiva.com/46417/ilbb0603-46417096.pdf?src-supplier=Element14, ComponentLink5Description=https://datasheet.ciiva.com/8493/ilbb0603-8493945.pdf?src-supplier=Avnet, ComponentLink5URL=https://datasheet.ciiva.com/8493/ilbb0603-8493945.pdf?src-supplier=Avnet, ComponentLink6Description=https://datasheet.ciiva.com/1014/ilbb0603-1014734.pdf?src-supplier=Digi-Key, ComponentLink6URL=https://datasheet.ciiva.com/1014/ilbb0603-1014734.pdf?src-supplier=Digi-Key, Core Material=Ferrite, DC Current=150mA, Depth=0.95mm, Description 1="FERRITE BEAD 300 OHM 0603", Height=0.037inch, Impedance=300R, Lead Free="Lead Free", Length=0.063inch, Max Current Rating=150mA, Max DC Current=150mA, Military Standard=Not, Mount="Surface Mount", Number of Lines=1, Number of Pins=2, Packaging="Tape and Reel", Pricing 1="1 = 0.10000, 10 = 0.07300, 25 = 0.06600, 50 = 0.05940, 100 = 0.04360, 250 = 0.03168, 500 = 0.02904, 1000 = 0.02508 (USD)", Radiation Hardening=No, REACH SVHC=Unknown, RoHS 1=Yes, Shielding=Shielded, Stock 1=4680, Supplier 1=Digi-Key, Termination=SMD/SMT, Weight=7.1E-05oz, Width=0.8mm
LED1 LED2: library part 150060GS73220, "LED GREEN CLEAR 0603 SMD", Case/Package=0603, Case Code (Metric)=1608, Color=Green, Forward Current=30mA, Forward Voltage=2V, Manufacturer 1="Wurth Electronics", Manufacturer Part Number 1=150060VS75000, Max Operating Temperature=85°C, Min Operating Temperature=-40°C, Package Quantity=1, Supplier Part Number 1=732-4980-1-ND, Test Current=20mA, Case Code (Imperial)=0603, ComponentLink1Description=https://datasheet.ciiva.com/29562/150060vs75000-29562919.pdf?src-supplier=Digi-Key, ComponentLink1URL=https://datasheet.ciiva.com/29562/150060vs75000-29562919.pdf?src-supplier=Digi-Key, Description 1="WURTH ELEKTRONIK - 150060VS75000 - LED, Grün, Oberflächenmontage, 603, 30 mA, 2 V, 570 nm", Dominant Wavelength=570nm, Height=0.7mm, Length=1.6mm, Lens Style=Clear,Rectangular, Luminous Intensity=40mcd, Mount="Surface Mount", Number of Pins=2, Packaging="Tape and Reel", Pricing 1="1 = 0.14000, 50 = 0.13300, 100 = 0.11400, 500 = 0.09900 (USD)", REACH SVHC=Unknown, RoHS 1=Yes, Stock 1=29468, Supplier 1=Digi-Key, Viewing Angle=140°, Wavelength=570nm, Width=0.8mm
LED3: library part 150060GS73220, "LED GREEN CLEAR 0603 SMD", Case/Package=0603, Case Code (Metric)=1608, Color=Red, Forward Current=30mA, Forward Voltage=2V, Manufacturer 1="Wurth Electronics", Manufacturer Part Number 1=150060RS75000, Max Operating Temperature=85°C, Min Operating Temperature=-40°C, Package Quantity=1, Supplier Part Number 1=732-4978-1-ND, Test Current=20mA, Case Code (Imperial)=0603, ComponentLink1Description=https://datasheet.ciiva.com/29562/150060vs75000-29562919.pdf?src-supplier=Digi-Key, ComponentLink1URL=https://datasheet.ciiva.com/29562/150060vs75000-29562919.pdf?src-supplier=Digi-Key, ComponentLink2Description=https://datasheet.ciiva.com/29563/150060rs75000-29563040.pdf?src-supplier=Digi-Key, ComponentLink2URL=https://datasheet.ciiva.com/29563/150060rs75000-29563040.pdf?src-supplier=Digi-Key, ComponentLink3Description=https://datasheet.ciiva.com/29279/759428-da-01-en-chipled-0603-w-kl-rot-150060rs75000-29279196.pdf?src-supplier=Conrad, ComponentLink3URL=https://datasheet.ciiva.com/29279/759428-da-01-en-chipled-0603-w-kl-rot-150060rs75000-29279196.pdf?src-supplier=Conrad, Description 1="WURTH ELEKTRONIK - 150060RS75000 - LED, Red, 625 nm, 2 V, 30 mA, 250 mcd RoHS Compliant: Yes", Dominant Wavelength=625nm, Height=0.7mm, Length=1.6mm, Lens Style=Clear,Rectangular, Luminous Intensity=250mcd, Mount="Surface Mount", Packaging="Cut Tape", Pricing 1="1 = 0.14000, 50 = 0.13300, 100 = 0.11400, 500 = 0.09900 (USD)", REACH SVHC=Unknown, RoHS 1=Yes, Stock 1=20136, Supplier 1=Digi-Key, Viewing Angle=140°, Wavelength=625nm, Width=0.8mm